# Altium PCB USB_HUB.PcbDoc (part 1 of 2) (continued)
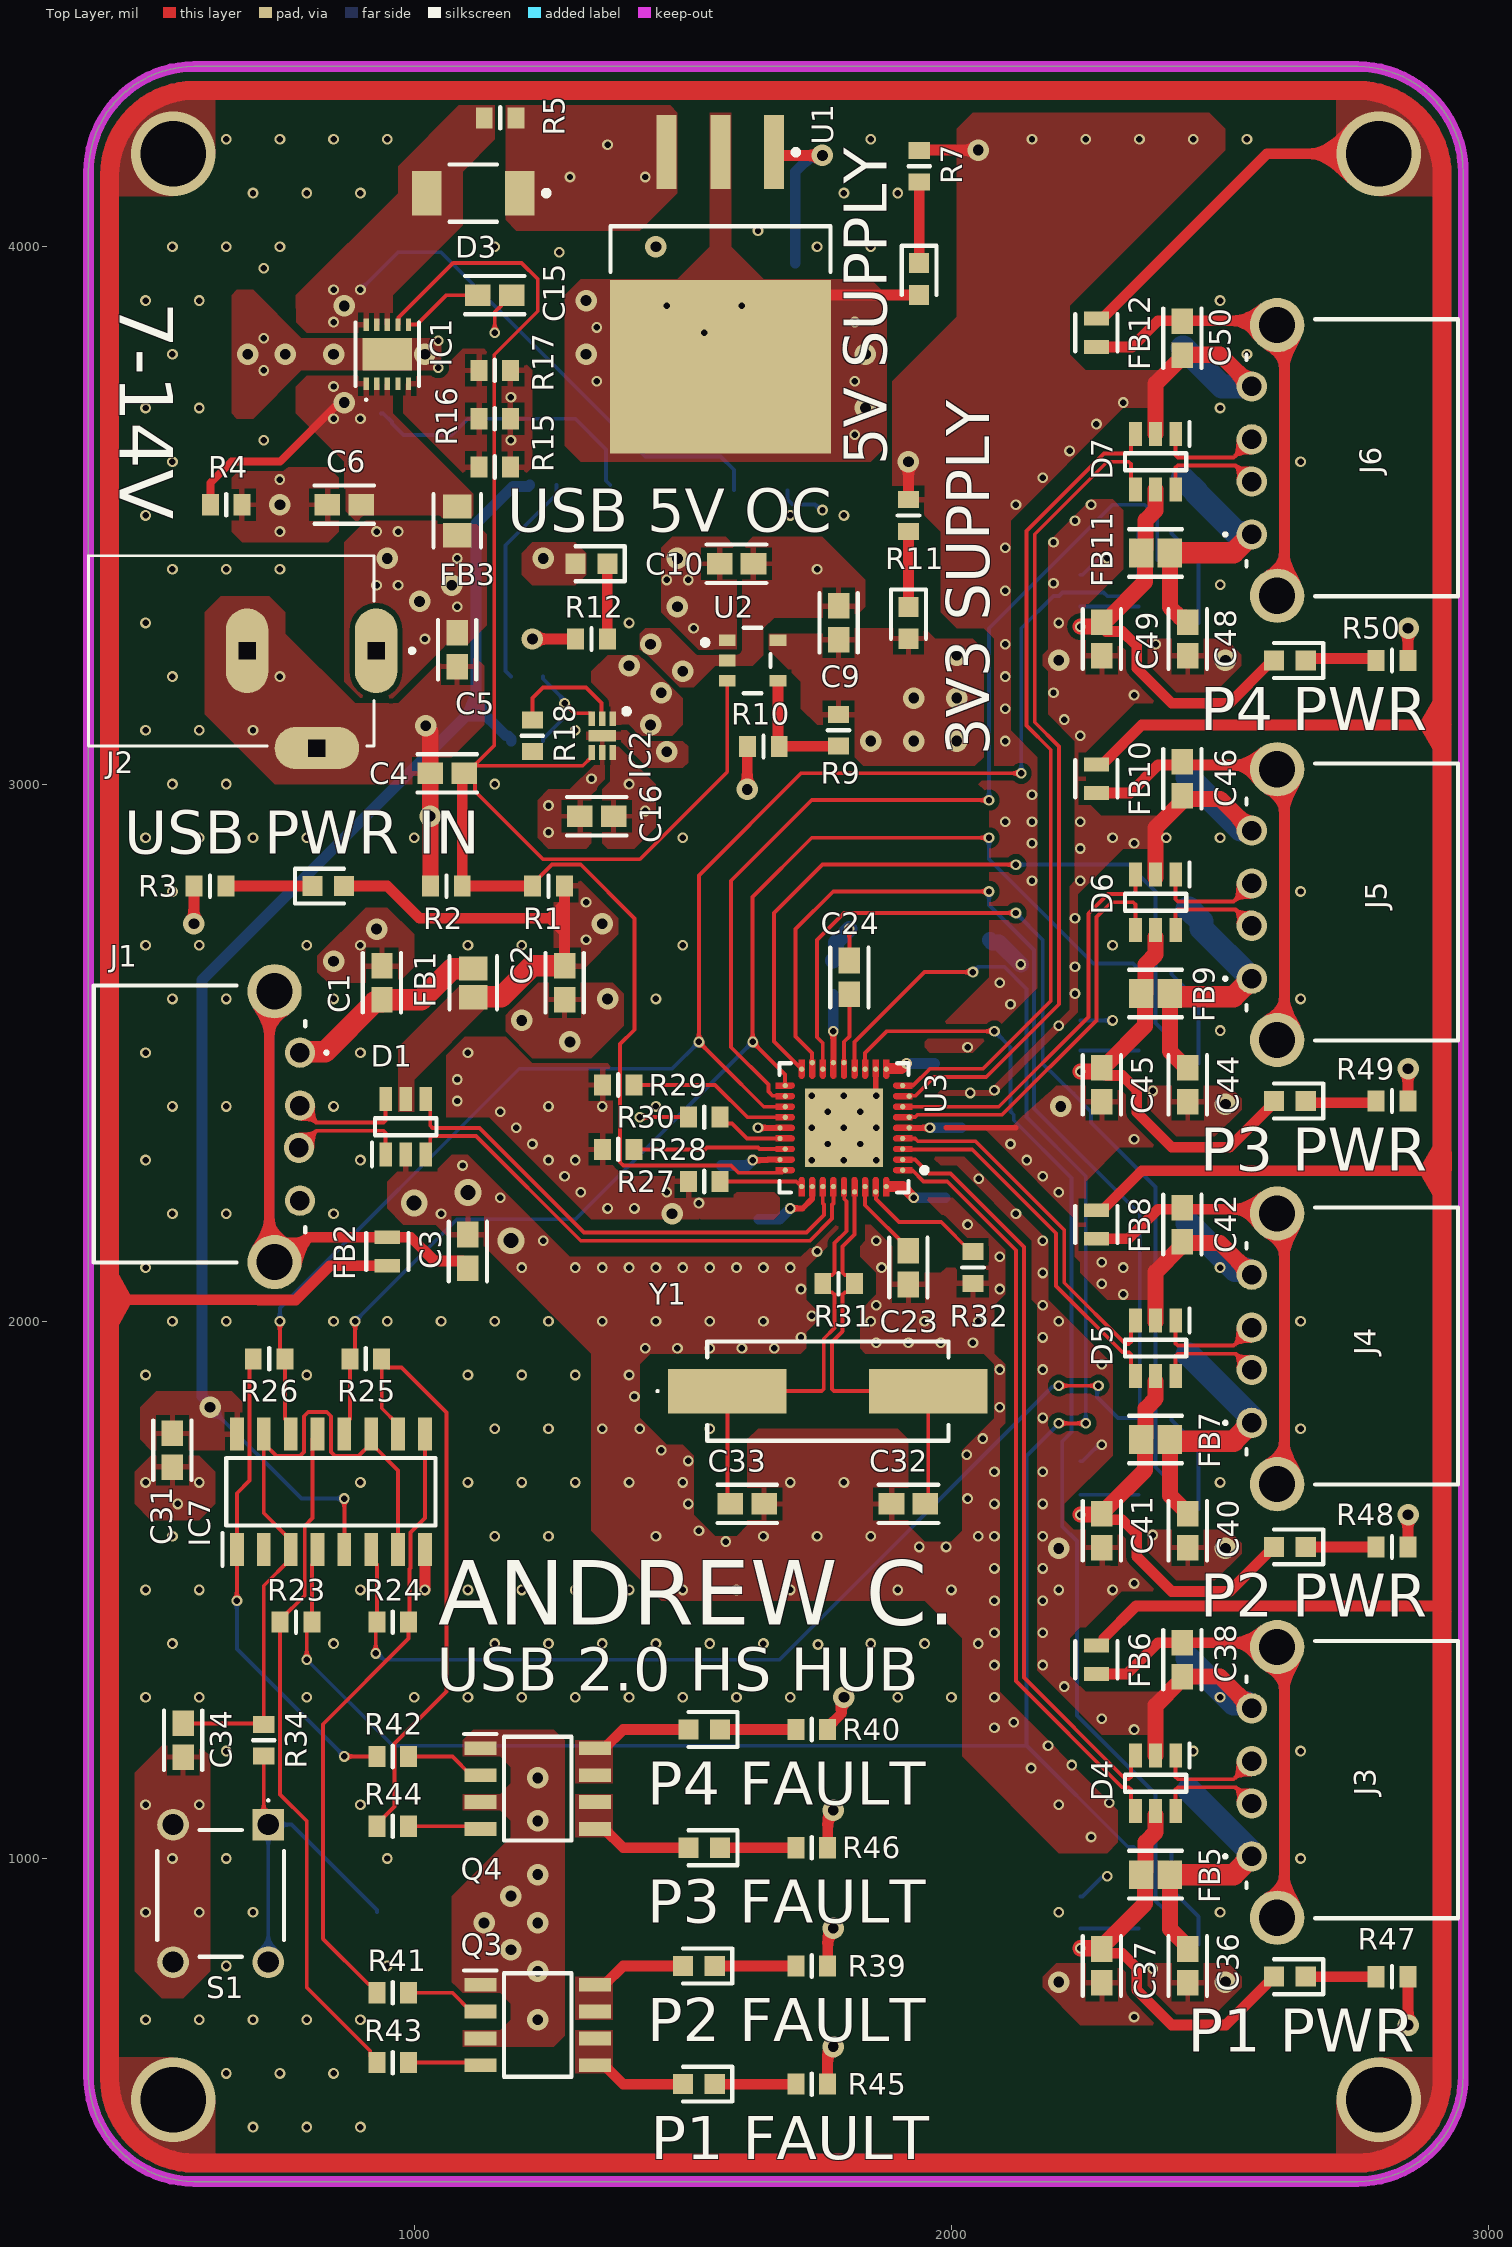
[diagram p0: Top Layer view]
## Footprints (in the part's own frame and the unit in brackets; to place one, negate y for a bottom-side part, rotate by r counter-clockwise, add the part's x,y. Pads: shape width x height; smd on the part's side, far side on the other; paste and mask are expansions set on the pad) (continued)
USB1125GFB#2 [mm]
  round 1.431 hole 0.92: 1(0,0) 2(2.5,0) 3(4.5,0) 4(7,0)
  round 2.565 hole 1.71: MH1(-2.9,-1.2) MH2(9.9,-1.2)
  silkscreen extent -2.92,-9.75 10.18,1.3, body extent -3.65,-9.75 10.66,0.36, height 6.73

## Part data
"3V3 SUPPLY" "5V SUPPLY" "USB PWR IN": "LED", Manufacturer_Name="Wurth Elektronik", Mouser Part Number=710-150060GS75000, Datasheet Link=https://componentsearchengine.com/Datasheets/2/150060GS75000.pdf, Height=0.8mm, Manufacturer_Part_Number=150060GS75000, Mouser Price/Stock=https://www.mouser.co.uk/ProductDetail/Wurth-Elektronik/150060GS75000?qs=LlUlMxKIyB0UYkq5lDO8nA%3D%3D
C1 C2 C3 C4 C5 C6 C9 C10 C16 C17 C18 C19 C20 C25 C26 C36 C37 C38 C40 C41 C42 C44 C45 C46 C48 C49 C50: library part CMP-2006-02792-2, Capacitance=2.2u, Case Code (Imperial)=0603, Case Code (Metric)=1608, Dielectric=X5R, Manufacturer=Murata, Manufacturer Part Number=GRM188R60J106ME47D, Max Operating Temperature=85°C, Min Operating Temperature=-55°C, Package Quantity=4000, Tolerance=20%, Voltage=6.3V, Case/Package=0603, Depth=0.8mm, Height=0.8mm, Lead Free="Lead Free", Length=1.6mm, Material=Ceramic, Mount="Surface Mount", Packaging="Tape and Reel", Radiation Hardening=No, REACH SVHC="No SVHC", Termination=SMD/SMT, Thickness=0.035inch, Voltage Rating=6.3V, Voltage Rating (DC)=6.3V, Width=0.031inch
C7 C8 C11 C14: library part CMP-06035-003589-1, Capacitance=10u, Case Code (Imperial)=1206, Case Code (Metric)=3216, Dielectric=X7R, Manufacturer=Murata, Manufacturer Part Number=GRM31CR71E106KA12L, Max Operating Temperature=125°C, Min Operating Temperature=-55°C, Package Quantity=1, Tolerance=10%, Voltage=25V, Case/Package=1206, Depth=1.6mm, Height=1.6mm, Lead Free="Lead Free", Length=3.2mm, Material=Ceramic, Mount="Surface Mount", Number of Pins=2, Packaging="Tape and Reel", Radiation Hardening=No, REACH SVHC="No SVHC", Termination=SMD/SMT, Thickness=0.071inch, Voltage Rating=25V, Voltage Rating (DC)=25V, Width=1.6mm
C12 C13 C15 C21 C22 C23 C24 C27 C28 C29 C30 C31: library part CMP-2006-02792-2, Capacitance=100n, Case Code (Imperial)=0603, Case Code (Metric)=1608, Dielectric=X5R, Manufacturer=Murata, Manufacturer Part Number=GRM188R60J106ME47D, Max Operating Temperature=85°C, Min Operating Temperature=-55°C, Package Quantity=4000, Tolerance=20%, Voltage=6.3V, Case/Package=0603, Depth=0.8mm, Height=0.8mm, Lead Free="Lead Free", Length=1.6mm, Material=Ceramic, Mount="Surface Mount", Packaging="Tape and Reel", Radiation Hardening=No, REACH SVHC="No SVHC", Termination=SMD/SMT, Thickness=0.035inch, Voltage Rating=6.3V, Voltage Rating (DC)=6.3V, Width=0.031inch
C32 C33: library part CMP-2006-02792-2, Capacitance=33p, Case Code (Imperial)=0603, Case Code (Metric)=1608, Dielectric=X5R, Manufacturer=Murata, Manufacturer Part Number=GRM188R60J106ME47D, Max Operating Temperature=85°C, Min Operating Temperature=-55°C, Package Quantity=4000, Tolerance=20%, Voltage=6.3V, Case/Package=0603, Depth=0.8mm, Height=0.8mm, Lead Free="Lead Free", Length=1.6mm, Material=Ceramic, Mount="Surface Mount", Packaging="Tape and Reel", Radiation Hardening=No, REACH SVHC="No SVHC", Termination=SMD/SMT, Thickness=0.035inch, Voltage Rating=6.3V, Voltage Rating (DC)=6.3V, Width=0.031inch
C34: library part CMP-2006-02792-2, "Chip Multilayer Ceramic Capacitors for General Purpose, 0603, 10uF, X5R, 15%, 20%, 6.3V", Capacitance=10uF, Case Code (Imperial)=0603, Case Code (Metric)=1608, Dielectric=X5R, Max Operating Temperature=85°C, Min Operating Temperature=-55°C, Package Quantity=4000, Tolerance=20%, Voltage=6.3V, Case/Package=0603, Depth=0.8mm, Height=0.8mm, Lead Free="Lead Free", Length=1.6mm, Material=Ceramic, Mount="Surface Mount", Packaging="Tape and Reel", Radiation Hardening=No, REACH SVHC="No SVHC", Termination=SMD/SMT, Thickness=0.035inch, Voltage Rating=6.3V, Voltage Rating (DC)=6.3V, Width=0.031inch
C35 C39 C43 C47: "Capacitor Polarised", Manufacturer_Name=Vishay, Mouser Part Number=74-293D107X0016D2TE3, Arrow Part Number=293D107X0016D2TE3, Arrow Price/Stock=https://www.arrow.com/en/products/293d107x0016d2te3/vishay, Datasheet Link=http://www.vishay.com/doc?40002, Height=3.1mm, Manufacturer_Part_Number=293D107X0016D2TE3, Mouser Price/Stock=https://www.mouser.com/Search/Refine.aspx?Keyword=74-293D107X0016D2TE3
D1 D4 D5 D6 D7: "Diode", Manufacturer_Name=Nexperia, Mouser Part Number=771-IP4234CZ6125, Arrow Part Number=IP4234CZ6,125, Arrow Price/Stock=https://www.arrow.com/en/products/ip4234cz6125/nexperia?region=nac, Datasheet Link=https://assets.nexperia.com/documents/data-sheet/IP4234CZ6.pdf, Height=1.1mm, Manufacturer_Part_Number=IP4234CZ6,125, Mouser Price/Stock=https://www.mouser.co.uk/ProductDetail/Nexperia/IP4234CZ6125?qs=sSXnapcmqSskfgXn%2F9aKzA%3D%3D
D2 D3: library part CMP-14398-000051-1, "DIODE SCHOTTKY 30V 5A SOD128", RoHS Compliant=Yes
FB1 FB3 FB4 FB5 FB7 FB9 FB11: library part CMP-02428-000001-1, "FERRITE BEAD 600 OHM 0805 1LN", Impedance At Frequency="600Ω @ 100MHz", Manufacturer=Vishay, Manufacturer Part Number=ILHB0805ER601V, Package=ILHB-0805, Rms Current=2000mA, Series Resistance=0.1Ω, Temperature="-55°C to +125°C", Temperature Range High=+125°C, Temperature Range Low=-55°C, Test Frequency=100MHz, Tolerance=25%, Automotive=No, Category=FBead, ComponentLink2Description=Datasheet, ComponentLink2URL=http://www.vishay.com/docs/34102/ilhb.pdf, Device Class L1="Passive Components", Device Class L2="EMI / RFI Components", Device Class L3="Ferrite Beads and Chips", Digikey Description="FERRITE BEAD 600 OHM 0805 1LN", Height=1.1mm, Ipc Land Pattern Name=CAPC200125X90, Lead Free=Yes, Mouser Description="Ferrite Beads Multi-Layer High Current 600Ohm 25% 100MHz 2A 100mOhm DCR 0805 T/R", Octopart=https://octopart.com/ilhb0805er601v-vishay-39650184, RoHS=TRUE, Shielding=true
FB2 FB6 FB8 FB10 FB12: library part CMP-0686-00540-4, "Chip Ferrite Bead Array, 0603, 30Ω @ 100MHz, 25%, 0.01Ω, 5A", Case Code (Imperial)=0603, Case Code (Metric)=1608, Current Rating=5A, DC Resistance (DCR)=10mR, Max Operating Temperature=125°C, Min Operating Temperature=-55°C, Package Quantity=1, Test Frequency=100MHz, Tolerance=25%, Case/Package=0603, Core Material=Ferrite, DC Current=5A, Depth=0.8mm, Height=0.8mm, Impedance=30R, Lead Free="Lead Free", Length=1.6mm, Material=Steel, Max Current Rating=5A, Max DC Current=5A, Military Standard=Not, Number of Circuits=1, Number of Lines=1, Number of Pins=2, Packaging="Tape and Reel", Radiation Hardening=No, REACH SVHC="No SVHC", RoHS Compliant=Yes, Series=BLM18K, Termination=SMD/SMT, Weight=7.1E-05oz, Width=0.8mm
IC1: "Integrated Circuit", Manufacturer_Name=LITTELFUSE, Datasheet Link=https://www.littelfuse.com/media?resourcetype=datasheets&itemid=b40a8809-c1ad-459d-a34c-84532dbddcb7&filename=littelfuse-protection-ic-ls1205exd33--datasheet, Height=0.8mm, Manufacturer_Part_Number=LS1205EVD33
IC2 IC3 IC4 IC5 IC6: library part MIC2097-2YMT-TR, "**EN is not inverted", Manufacturer_Name=Microchip, Mouser Part Number=998-MIC2097-2YMTTR, Datasheet Link=http://www.microchip.com/mymicrochip/filehandler.aspx?ddocname=en579484, Height=0.6mm, Manufacturer_Part_Number=MIC2097-2YMT-TR, Mouser Price/Stock=https://www.mouser.co.uk/ProductDetail/Microchip-Technology-Micrel/MIC2097-2YMT-TR?qs=Y3Q3JoKAO1STlVNIQyVOyQ%3D%3D
IC7: "Integrated Circuit", Manufacturer_Name=onsemi, Mouser Part Number=863-MC14044BDR2G, Arrow Part Number=MC14044BDR2G, Arrow Price/Stock=http://www.arrow.com/en/products/mc14044bdr2g/on-semiconductor, Datasheet Link=http://www.onsemi.com/pub/Collateral/MC14043B-D.PDF, Height=1.75mm, Manufacturer_Part_Number=MC14044BDR2G, Mouser Price/Stock=https://www.mouser.co.uk/ProductDetail/onsemi/MC14044BDR2G?qs=g2rIOKKlpobsE42k0bnUHA%3D%3D
J1 J3 J4 J5 J6: "Connector", Manufacturer_Name="GCT (GLOBAL CONNECTOR TECHNOLOGY)", Mouser Part Number=640-USB1125-GF-B, Datasheet Link=https://gct.co/connector/usb1125, Height=6.63mm, Manufacturer_Part_Number=USB1125-GF-B, Mouser Price/Stock=https://www.mouser.co.uk/ProductDetail/GCT/USB1125-GF-B?qs=KUoIvG%2F9IlbMrLtAEIp0gA%3D%3D
J2: "DC Power Connectors Power Jack/Connector 2.1mm x 5.5mm", Package=None, Availability=Unavailable, MP=CON-SOCJ-2155, Price=None
"P1 FAULT" "P2 FAULT" "P3 FAULT" "P4 FAULT" "USB 5V OC": "LED", Manufacturer_Name="Wurth Elektronik", Mouser Part Number=710-150060RS75000, Datasheet Link=http://katalog.we-online.de/led/datasheet/150060RS75000.pdf, Height=0.8mm, Manufacturer_Part_Number=150060RS75000, Mouser Price/Stock=https://www.mouser.co.uk/ProductDetail/Wurth-Elektronik/150060RS75000?qs=LlUlMxKIyB3QnmZ3fw%2FVCA%3D%3D
"P1 PWR" "P2 PWR" "P3 PWR" "P4 PWR": "LED", Manufacturer_Name="Wurth Elektronik", Mouser Part Number=710-150060YS75000, Datasheet Link=http://uk.rs-online.com/web/p/products/8154219, Height=0.8mm, Manufacturer_Part_Number=150060YS75000, Mouser Price/Stock=https://www.mouser.co.uk/ProductDetail/Wurth-Elektronik/150060YS75000?qs=LlUlMxKIyB0nKmwefHgtZw%3D%3D
Q1: "MOSFET (N&P-Channel)", Manufacturer_Name="Diodes Inc.", Mouser Part Number=621-DMC3016LSD-13, Arrow Part Number=DMC3016LSD-13, Arrow Price/Stock=https://www.arrow.com/en/products/dmc3016lsd-13/diodes-incorporated, Datasheet Link=https://www.diodes.com/assets/Datasheets/DMC3016LSD.pdf, Height=1.75mm, Manufacturer_Part_Number=DMC3016LSD-13, Mouser Price/Stock=https://www.mouser.co.uk/ProductDetail/Diodes-Incorporated/DMC3016LSD-13?qs=5V6w%252Be2aIqYl%2FV2fEzcwTA%3D%3D
Q2 Q3 Q4: "MOSFET (P-Channel)", Manufacturer_Name="Diodes Inc.", Mouser Part Number=621-DMP3085LSD-13, Arrow Part Number=DMP3085LSD-13, Arrow Price/Stock=https://www.arrow.com/en/products/dmp3085lsd-13/diodes-incorporated?region=nac, Datasheet Link=https://www.diodes.com/assets/Datasheets/DMP3085LSD.pdf, Height=1.75mm, Manufacturer_Part_Number=DMP3085LSD-13, Mouser Price/Stock=https://www.mouser.co.uk/ProductDetail/Diodes-Incorporated/DMP3085LSD-13?qs=L1DZKBg7t5H5rh%252BaQZmdng%3D%3D
R1 R2 R3 R4 R5 R6 R7 R8 R9 R10 R11 R12 R13 R14 R15 R16 R17 R18 R19 R20 R21 R22 R23 R24 R25 R26 R27 R28 R29 R30 R31 R33 R34 R35 R36 R37 R38 R39 R40 R41 R42 R43 R44 R45 R46 R47 R48 R49 R50: library part CMP-009-00014-5, Case/Package=0603, Manufacturer=Yageo, Manufacturer Part Number=RC0603FR-071KL, Max Operating Temperature=155°C, Min Operating Temperature=-55°C, Power=100mW, Tolerance=1%, Voltage Rating=50V, Component Type=Resistors, Mounting Technology=SM, Pins=2, RoHS Compliant=True
R32: library part CMP-009-00014-5, "0603 Resistor +-1%", Case/Package=0603, Manufacturer=Yageo, Manufacturer Part Number=RC0603FR-071KL, Max Operating Temperature=155°C, Min Operating Temperature=-55°C, Power=100mW, Tolerance=1%, Voltage Rating=50V, Component Type=Resistors, Mounting Technology=SM, Pins=2, RoHS Compliant=True
S1: "Switch", Manufacturer_Name="CUI Inc.", Mouser Part Number=179-TS026643BK260SCR, Arrow Part Number=TS02-66-43-BK-260-SCR-D, Arrow Price/Stock=https://www.arrow.com/en/products/ts02-66-43-bk-260-scr-d/cui-devices?region=nac, Datasheet Link=https://www.arrow.com/en/products/ts02-66-43-bk-260-scr-d/cui-devices?region=nac, Height=4.5mm, Manufacturer_Part_Number=TS02-66-43-BK-260-SCR-D, Mouser Price/Stock=https://www.mouser.co.uk/ProductDetail/CUI-Devices/TS02-66-43-BK-260-SCR-D?qs=A6eO%252BMLsxmStfetPfb1PWw%3D%3D
U1: library part CMP-0244-00500-1, "3A, Low Drop Positive Voltage Regulator, Adjustable Vo, 4-Pin D2PAK/A", ComponentLink1Description="Manufacturer URL", ComponentLink1URL=http://www.st.com, ComponentLink2Description=Datasheet, ComponentLink2URL=http://www.st.com/internet/com/TECHNICAL_RESOURCES/TECHNICAL_LITERATURE/DATASHEET/CD00001883.pdf, DatasheetVersion=28/07/2009, PackageDescription="4-Pin Transistor Outline Package 2.54 mm Pitch, 15.4 mm Lead Span", PackageReference=D2PAK_A, PackageVersion=2011
U2: library part CMP-12756-000046-1, "IC REG LIN POS ADJ 250MA SOT25"
U3: library part CMP-06284-000022-1, "IC HUB CTLR 4PORT USB 2.0 HS 36S", Max Operating Temperature=85°C, Min Operating Temperature=-40°C, Operating Supply Current=70mA, Interface=USB, Lead Free="Lead Free", Number of Pins=36, Packaging="Tape and Reel", RoHS Compliant=Yes
Y1: "Crystal or Oscillator", Manufacturer_Name=ABRACON, Mouser Part Number=815-ABLS-24.0M-T, Arrow Part Number=ABLS-24.000MHZ-B4-T, Arrow Price/Stock=https://www.arrow.com/en/products/abls-24.000mhz-b4-t/abracon, Datasheet Link=https://abracon.com/Support/PackageDrawing/Resonators/ABLS-2D.pdf, Height=4.2mm, Manufacturer_Part_Number=ABLS-24.000MHZ-B4-T, Mouser Price/Stock=https://www.mouser.co.uk/ProductDetail/ABRACON/ABLS-24000MHZ-B4-T?qs=yTU0IcKoRlFmg5ISZhZAjw%3D%3D

## Via types
v1: diameter 20, hole 12, Top Layer to Bottom Layer, 456 vias
v2: diameter 40, hole 20, Top Layer to Bottom Layer, 71 vias
v3: diameter 157.48, hole 122.05, Top Layer to Bottom Layer, 4 vias
v4: diameter 50, hole 28, Top Layer to Bottom Layer, 3 vias

## Nets (pads, with @x,y where several pads share a name; then routed paths per layer and width w, separated by ;. In a path a pad name is that pad's centre, name@x,y a point inside that pad or via, vN(x,y) a via of type N, cw(c..) or ccw(c..) an arc to the next point about the centre after c; other vN are vias at no path point)
*IN_FLT: IC2.3 R13.2 R14.2 | length 220.3
  Top Layer w7.14: v1(1280,3150) 1298.3,3131.7 1327.98,3131.7 1330.32,3129.37 IC2.3@1330.32,3121.5
  Bottom Layer w7.14: R13.2@1239.53,3080 1239.53,3083.94 1280,3124.41 v1(1280,3150) 1277.54,3152.46 1277.54,3158.05 1239.53,3196.06 R14.2@1239.53,3200
*P1_FLT: IC3.3 IC7.4 R23.1 R35.2 U3.13 | length 4006.4
  Top Layer w7.14: v1(800,1370) 800,1430.47 R23.1@809.53,1440 809.53,1547.24 820,1557.72 IC7.4@820,1575.43 ; U3.13@1819.68,2469.25 1819.68,2519.68 1950,2650 v1(2040,2650) ; v1(2200,1810) v1(2250,1810)
  Bottom Layer w7.14: v1(800,1370) 960,1210 2139.53,1210 2139.53,1749.53 v1(2200,1810) ; v1(2040,2650) 2040.61,2650 2050.61,2660 2098.59,2660 2140,2618.59 2140,2380 2250,2270 v1(2250,1810) ; 2140,1210 2328.19,1021.81 2338.67,1021.81 R35.2@2350.47,1010 IC3.3@2350.47,891.65
*P2_FLT: IC4.3 IC7.6 R24.1 R36.2 U3.17 | length 3746
  Top Layer w7.14: IC7.6@920,1575.43 920,1557.72 930.47,1547.24 R24.1@930.47,1440 928.33,1437.86 v1(928.33,1381.67) ; U3.17@1740.94,2481.46 1740.8,2481.6 1740.8,2499.2 1710,2530 1710,2730 1780,2800 v1(2070,2800) ; v1(2200,1880) v1(2273.57,1880)
  Bottom Layer w7.14: v1(928.33,1381.67) 931.81,1381.67 943.48,1370 1680,1370 2187.54,1877.54 2197.54,1877.54 v1(2200,1880) ; v1(2070,2800) 2070,2774.75 2153.74,2691.01 2153.74,2396.26 2350.47,2199.53 R36.2@2350.47,1820 ; v1(2273.57,1880) 2271.11,1877.54 2271.11,1859.68 2270.72,1859.28 2310,1820 R36.2@2350.47,1820 ; IC4.3@2350.47,1698.74 R36.2@2350.47,1820
*P3_FLT: IC5.3 IC7.12 R25.1 R37.2 U3.19 | length 2563.8
  Top Layer w7.14: IC7.12@870,1790 870,1807.72 880.47,1818.19 R25.1@880.47,1930 890,1939.53 v1(890,2000) ; U3.19@1690.75,2438.74 1690.37,2439.11 1690.37,2459.63 v1(1630,2520) 1630,2790 1740,2900 v1(2070,2900)
  Bottom Layer w7.14: v1(890,2000) 1080,2190 1300,2190 v1(1630,2520) ; v1(2070,2900) 2070,2860 2263.89,2666.11 2338.3,2666.11 2350.47,2653.94 R37.2@2350.47,2650 ; IC5.3@2350.47,2525.51 R37.2@2350.47,2643.86
*P4_FLT: IC6.3 IC7.14 R26.1 R38.2 U3.21 | length 3067.7
  Top Layer w7.14: v1(750,2000) 750,1939.53 R26.1@759.53,1930 759.53,1818.19 770,1807.72 IC7.14@770,1790 ; U3.21@1690.75,2399.37 1650.63,2399.37 1570,2480 v1(1530,2520) 1530,2830 1720,3020 v1(2130,3020)
  Bottom Layer w7.14: v1(750,2000) 750,2024.55 1195.45,2470 1480,2470 v1(1530,2520) ; v1(2130,3020) 2130,3290 2190,3350 2200,3350 2206.79,3356.79 2283.21,3356.79 2290.32,3349.68 IC6.3@2348.5,3349.68 2348.5,3468.03 R38.2@2350.47,3470
+3V3: "3V3 SUPPLY.2" C9.1 C21.2 C22.2 C25.1 FB4.1 R9.1 U2.5 U3.15 U3.23 U3.26 | length 281.9
  Top Layer w10: v1(1780,2540) v1@1780.16,2539.84 ; U3.15@1780.16,2481.61 U3.15@1780.32,2481.46
  Top Layer w11: v1(1630,2300) 1657.57,2300 1658.52,2300.94 U3.26@1680.91,2300.94 ; v1(1640,2360) U3.23@1680.91,2360 ; U3.15@1780.16,2481.61 v1@1780.16,2539.84
  Bottom Layer w20: C21.2@1571.57,2290 1620,2290 v1(1630,2300) ; v1(1780,2540) C22.2@1780,2608.43
  other v2: 1850,3080 1930,3080 2010,3080 1930,3160 2010,3160 2010,3240
+3V3_A: C26.1 C27.1 C28.1 C29.1 C30.1 FB4.2 U3.5 U3.10 U3.29 U3.36 | length 432.6
  Top Layer w11: v1(1700,2210) 1722.93,2210 1740.94,2228.01 U3.29@1740.94,2250.75 ; U3.5@1921.46,2360 v1(1960,2360)
  Top Layer w20: 1885.17,2470.63 1907.15,2470.63 v1(1916.52,2480) ; 1886.37,2250.75 1909.25,2250.75 v1(1930,2230)
  Bottom Layer w20: C27.1@1641.57,2190 1680,2190 v1(1700,2210) ; v1(1916.52,2480) C30.1@1968.43,2480 ; v1(1930,2230) C28.1@1988.43,2230 ; v1(1960,2360) C29.1@2018.43,2360
+5: C10.1 C17.1 C18.1 C19.1 C20.1 C31.1 IC3.6 IC4.6 IC5.6 IC6.6 IC7.5 IC7.16 Q1.7 Q1.8 Q2.1 Q2.3 Q3.1 Q3.3 Q4.1 Q4.3 R13.1 R33.1 R35.1 R36.1 R37.1 R38.1 U2.1 | length 3265.7
  Top Layer w7.14: IC7.5@870,1575.43 v1(870,1670)
  Bottom Layer w7.14: v2(620,1840) 790,1670 v1(870,1670) ; R35.1@2409.53,1010 2409.53,942.18 2460,891.71 2460,840 ; R36.1@2409.53,1820 2409.53,1816.06 2460,1765.59 2460,1650 ; R37.1@2409.53,2650 2409.53,2646.06 2460,2595.59 2460,2480 ; R38.1@2409.53,3470 2409.53,3466.06 2460,3415.59 2460,3300
  Bottom Layer w20: v2(620,1840) 620,1845.41 605.02,1860.4 605.02,2635.46 1115.02,3145.46 ; R13.1@1180.47,3080 1180.47,3083.94 1174.72,3089.69 1170.79,3089.69 1115.02,3145.46 ; Q2.1@1215,3556.77 1215,3556.65 1212.2,3553.85 1183.92,3553.85 1115.02,3484.95 1115.02,3145.46
  other v1: 1520,3290 1470,3380 1510,3380
  other v2: 1230,700 1230,790 1180,830 1130,880 1230,880 1180,930 1230,970 1230,1070 1230,1150 1490,3330 1490,3420
+5_in: "USB PWR IN.2" C2.1 C16.1 D1.5 FB1.2 IC2.6 R1.1 | length 784
  Top Layer w7.14: C16.1@1369.68,2941.88 C16.1@1371.57,2940
  Top Layer w20: 869.53,2810 950,2810 1010,2750 1280,2750 ; C2.1@1280,2661.57 1280,2750 ; R1.1@1280,2809.53 1280,2750
  Top Layer w30: FB1.2@1110,2603.39 FB1.2@1110.62,2604.01 ; R1.1@1279.53,2806.06 R1.1@1279.53,2810
  Top Layer w40: FB1.2@1110.62,2604.01 1162.44,2604.01 1220,2661.57 C2.1@1280,2661.57
  other v1: 1320,2710 1320,2780 1430,2950 1400,3000
  other v2: 1350,2740
+5_REG: "5V SUPPLY.2" C8.1 Q1.3 R6.2 U1.2 U1.4 | length 425.5
  Top Layer w20: U1.4@1570,3776.46 1704.02,3910.47 1940,3910.47
  other v1: 1820,3650 1340,3750 1820,3750 1540,3840 1340,3850 1820,3860 1470,3890 1610,3890
  other v2: 1840,3700 1320,3800 1840,3800 1320,3900
+5V_CL: IC2.1 Q2.5 Q2.6
  other v2: 1440,3110 1460,3170 1400,3220
+5V_P1: "P1 PWR.2" C37.1 D4.5 FB5.2 IC3.1 | length 774.6
  Top Layer w7.14: C37.1@2277.36,832.91 C37.1@2288.12,843.67
  Top Layer w20: C37.1@2280,831.57 2288.07,823.5 2318.07,823.5 2345,796.57 2345,755 2410,690 2510.47,690 2600.47,780
  Top Layer w30: v1(2240,832.91) C37.1@2277.36,832.91 ; C37.1@2288.12,843.67 2360.32,915.88 2360.32,963.07 FB5.2@2353.39,970 2361.12,977.73 2361.12,998.88 2361.51,999.27 2361.51,1030.5 2379.88,1048.87 D4.5@2379.88,1081.2
+5V_P2: "P2 PWR.2" C41.1 D5.5 FB7.2 IC4.1 | length 764.4
  Top Layer w7.14: C41.1@2278.43,1640 C41.1@2280,1641.57
  Top Layer w20: C41.1@2280,1638.66 2288.07,1630.59 2318.07,1630.59 2345,1603.66 2345,1562.09 2410,1497.09 2517.56,1497.09 2591.77,1571.3 2600.47,1580
  Top Layer w30: v1(2240,1640) C41.1@2278.43,1640 ; C41.1@2284.92,1647.44 2288.12,1650.64 2288.12,1650.76 2360.32,1722.96 2360.32,1770.15 2353.39,1777.09 2361.12,1784.81 2361.12,1805.96 2361.51,1806.36 2361.51,1837.59 2379.88,1855.96 D5.5@2379.88,1888.29
+5V_P3: "P3 PWR.2" C45.1 D6.5 FB9.2 IC5.1 | length 772.5
  Top Layer w7.14: C45.1@2277.36,2466.77 C45.1@2288.12,2477.53
  Top Layer w20: C45.1@2280,2465.43 2288.07,2457.36 2318.07,2457.36 2345,2430.43 2345,2388.86 2410,2323.86 2517.56,2323.86 2591.77,2398.07 2600.47,2406.77
  Top Layer w30: v1(2240,2464.72) 2275.31,2464.72 C45.1@2277.36,2466.77 ; C45.1@2288.12,2477.53 2360.32,2549.74 2360.32,2596.92 2353.39,2603.86 2361.12,2611.58 2361.12,2632.73 2361.51,2633.13 2361.51,2664.36 2379.88,2682.73 D6.5@2379.88,2715.06
+5V_P4: "P4 PWR.2" C49.1 D7.5 FB11.2 IC6.1 | length 769.2
  Top Layer w7.14: C49.1@2271.34,3292.91 C49.1@2280,3301.57
  Top Layer w20: C49.1@2280,3292.2 2288.07,3284.13 2318.07,3284.13 2345,3257.2 2345,3215.63 2410,3150.63 2517.56,3150.63 2591.77,3224.84 2600.47,3233.54
  Top Layer w30: v1(2240,3292.91) C49.1@2271.34,3292.91 ; C49.1@2288.12,3304.3 2360.32,3376.51 2360.32,3423.7 2353.39,3430.63 2361.12,3438.35 2361.12,3459.51 2361.51,3459.9 2361.51,3491.13 2379.88,3509.5 D7.5@2379.88,3548.35
BC_EN1: IC3.4 U3.12 | length 2094.2
  Top Layer w7.14: U3.12@1839.37,2469.25 1839.37,2499.37 1880,2540 v1(2080,2540)
  Bottom Layer w7.14: v1(2080,2540) 2110,2510 2110,2390.23 2115.93,2384.3 2115.93,2374.07 2223.57,2266.43 2223.57,1793.57 2206.43,1776.43 2206.43,1618.14 2233.57,1590.99 2233.57,1266.43 2380,1120 2380,921.18 2394.82,906.36 2395.21,906.36 2401.4,900.17 2401.4,892.02 2403.73,889.68 IC3.4@2411.5,889.68
BC_EN2: IC4.4 U3.16 | length 1824.8
  Top Layer w7.14: U3.16@1760.63,2469.25 1760.63,2517.95 1750,2528.58 1750,2710 1800,2760 v1(2120,2760)
  Bottom Layer w7.14: v1(2120,2760) 2170,2710 2170,2479.23 2226.92,2424.12 cw(c2203.57,2400) 2227.73,2423.31 2260,2390 2260,2370 2380,2250 2380,1728.27 2394.82,1713.45 2395.21,1713.45 2401.4,1707.25 2401.4,1699.1 2403.73,1696.77 IC4.4@2411.5,1696.77
BC_EN3: IC5.4 U3.18 | length 1374.2
  Top Layer w7.14: U3.18@1721.26,2469.25 1670,2520.51 1670,2760 1760,2850 v1(2120,2850)
  Bottom Layer w7.14: v1(2120,2850) 2330,2850 2380,2800 2380,2555.04 2394.82,2540.22 2395.21,2540.22 2401.4,2534.02 2401.4,2525.88 2403.73,2523.54 IC5.4@2411.5,2523.54
BC_EN4: IC6.4 U3.20 | length 1899.6
  Top Layer w7.14: U3.20@1690.75,2419.06 1690.22,2419.59 1688.25,2419.59 1688.18,2419.66 1667.41,2419.66 1659.46,2427.61 1659.46,2440.54 1590,2510 1590,2820 1740,2970 v1(2070,2970)
  Bottom Layer w7.14: v1(2070,2970) 2070,3290 2300,3520 2360,3520 2383.21,3496.79 2383.21,3416.79 2401.4,3398.6 2401.4,3352.02 2403.73,3349.68 IC6.4@2411.5,3349.68
D_in_N: D1.6 J1.2 | length 214.9
  Top Layer w7.14: J1.2@787.4,2401.57 787.4,2400.59 818.26,2369.73 942.67,2369.73 946.85,2373.91 D1.6@946.85,2413.86
D_in_P: D1.1 J1.3 | length 216.3
  Top Layer w7.14: J1.3@785.43,2322.83 786.42,2322.83 818.26,2354.68 942.67,2354.68 946.85,2350.5 D1.1@946.85,2310.55
D_O1_N: D4.4 U3.1 | length 1415.7
  Top Layer w7.14: U3.1@1909.25,2281.26 1926.97,2281.26 1948.23,2260 1992.26,2260 2120,2132.26 2120,1330.5 2318.02,1132.48 2330.17,1132.48 2334.36,1128.29 2334.36,1096.59 D4.4@2342.6,1088.35
D_O1_P: D4.3 U3.2 | length 1417.6
  Top Layer w7.14: U3.2@1909.25,2300.94 1931.99,2300.94 1957.89,2275.05 1998.49,2275.05 2135.05,2138.49 2135.05,1336.73 2324.26,1147.52 2330.17,1147.52 2334.36,1151.71 2334.36,1183.41 D4.3@2342.6,1191.65
D_O2_N: D5.4 U3.3 | length 684.4
  Top Layer w7.14: U3.3@1909.25,2320.63 1909.78,2320.1 1924.82,2320.1 1924.89,2320.03 2038.69,2320.03 2194.95,2163.77 2194.95,2065.55 2318.02,1942.48 2330.17,1942.48 2334.36,1938.29 2334.36,1906.59 D5.4@2342.6,1898.35
D_O2_P: D5.3 U3.4 | length 686.3
  Top Layer w7.14: U3.4@1909.25,2340.32 1931.99,2340.32 1937.23,2335.07 2044.93,2335.07 2210,2170 2210,2071.78 2324.26,1957.52 2330.17,1957.52 2334.36,1961.71 2334.36,1993.41 D5.3@2342.6,2001.65
D_O3_N: D6.4 U3.6 | length 748.9
  Top Layer w7.14: U3.6@1921.46,2379.68 1921.99,2380.22 1923.95,2380.22 1924.02,2380.29 1932.59,2380.29 1936.63,2384.32 2094.32,2384.32 2270,2560 2270,2752.48 2297.52,2780 2338.41,2780 2342.6,2775.82 D6.4@2342.6,2728.35
D_O3_P: D6.3 U3.7 | length 744.1
  Top Layer w7.14: U3.7@1909.25,2399.37 2088.09,2399.37 2254.95,2566.23 2254.95,2758.71 2291.29,2795.05 2338.41,2795.05 2342.6,2799.23 D6.3@2342.6,2831.65
D_O4_N: D7.4 U3.8 | length 1530.8
  Top Layer w7.14: U3.8@1921.46,2419.06 1921.99,2419.59 1923.95,2419.59 1924.02,2419.66 1932.59,2419.66 1967.89,2454.95 2064.95,2454.95 2200,2590 2200,3070 2155.05,3114.95 2155.05,3465.05 2290,3600 2330.17,3600 2334.36,3595.82 2334.36,3556.59 D7.4@2342.6,3548.35
D_O4_P: D7.3 U3.9 | length 1526.1
  Top Layer w7.14: U3.9@1909.25,2438.74 1928.74,2438.74 1960,2470 2058.72,2470 2184.95,2596.23 2184.95,3063.77 2140,3108.72 2140,3471.28 2283.77,3615.05 2330.17,3615.05 2334.36,3619.23 2334.36,3643.41 D7.3@2342.6,3651.65
D_P1_N: D4.6 J3.2 | length 195.8
  Top Layer w7.14: D4.6@2417.4,1088.35 2417.4,1128.29 2421.59,1132.48 2528.94,1132.48 J3.2@2559.06,1102.36
D_P1_P: D4.1 J3.3 | length 197.2
  Top Layer w7.14: D4.1@2417.4,1191.65 2417.4,1151.71 2421.59,1147.52 2525.48,1147.52 J3.3@2559.06,1181.1
D_P2_N: D5.6 J4.2 | length 195.8
  Top Layer w7.14: D5.6@2417.4,1895.43 2417.4,1935.38 2421.59,1939.56 2528.94,1939.56 J4.2@2559.06,1909.45
D_P2_P: D5.1 J4.3 | length 197.2
  Top Layer w7.14: D5.1@2417.4,1998.74 2417.4,1958.79 2421.59,1954.61 2525.48,1954.61 J4.3@2559.06,1988.19
D_P3_N: D6.6 J5.2 | length 195.8
  Top Layer w7.14: D6.6@2417.4,2722.2 2417.4,2762.15 2421.59,2766.34 2528.94,2766.34 J5.2@2559.06,2736.22
D_P3_P: D6.1 J5.3 | length 197.2
  Top Layer w7.14: D6.1@2417.4,2825.51 2417.4,2785.57 2421.59,2781.38 2525.48,2781.38 J5.3@2559.06,2814.96
D_P4_N: D7.6 J6.2 | length 195.8
  Top Layer w7.14: D7.6@2417.4,3548.98 2417.4,3588.92 2421.59,3593.11 2528.94,3593.11 J6.2@2559.06,3562.99
D_P4_P: D7.1 J6.3 | length 197.2
  Top Layer w7.14: D7.1@2417.4,3652.28 2417.4,3612.34 2421.59,3608.15 2525.48,3608.15 J6.3@2559.06,3641.73
D_up_N: D1.4 U3.30 | length 936.3
  Top Layer w7.14: D1.4@1021.65,2413.86 1029.89,2405.62 1029.89,2364.18 1034.08,2360 1121.28,2360 1316.23,2165.05 1730.49,2165.05 1762.95,2197.51 1762.95,2217.14 1760.63,2219.46 U3.30@1760.63,2250.75
D_up_P: D1.3 U3.31 | length 941.7
  Top Layer w7.14: D1.3@1021.65,2310.55 1029.89,2318.79 1029.89,2340.77 1034.08,2344.95 1115.05,2344.95 1310,2150 1736.72,2150 1778,2191.28 1778,2217.14 1780.32,2219.46 U3.31@1780.32,2250.75
ETH: FB2.1 FB6.1 FB8.1 FB10.1 FB12.1 | length 28041.2
  Top Layer w7.14: FB8.1@2270,2206.57 FB8.1@2280.83,2206.57 ; FB10.1@2270,3036.57 FB10.1@2280.83,3036.57
  Top Layer w20: 433.07,2040 709.74,2040 710,2039.74 779.74,2039.74 843.43,2103.43 FB2.1@950,2103.43 ; FB6.1@2270,1396.57 2280.83,1396.57 2283.62,1399.37 2283.62,1410.2 2343.43,1470 2903.39,1470 2913.39,1460 ; FB12.1@2270,3866.57 2280.83,3866.57 2587.48,4173.23 v3(2795.28,4173.23) ; FB8.1@2280.83,2206.57 2354.25,2280 2913.39,2280 ; FB10.1@2280.83,3036.57 2354.25,3110 2913.39,3110
  Top Layer w35.43: 433.07,590.55 ccw(c590.55,590.55) 590.55,433.07 2755.91,433.07 ccw(c2755.91,590.55) 2913.39,590.55 2913.39,1460 2913.39,2280 2913.39,3110 2913.39,4133.86 ccw(c2755.91,4133.86) 2755.91,4291.34 590.55,4291.34 ccw(c590.55,4133.86) 433.07,4133.86 433.07,2040 433.07,590.55
  Bottom Layer w35.43: 433.07,590.55 ccw(c590.55,590.55) 590.55,433.07 2755.91,433.07 ccw(c2755.91,590.55) 2913.39,590.55 2913.39,4133.86 ccw(c2755.91,4133.86) 2755.91,4291.34 590.55,4291.34 ccw(c590.55,4133.86) 433.07,4133.86 433.07,590.55
  other v3: 551.18,551.18 2795.28,551.18 551.18,4173.23